# Allegro board 8880F5-0827_6.brd (continued)
## Routing (per net, layer and track width the routed paths; a pad name or vN(x,y) marks a point on that pad's centre or on a via; arc(x,y) is an arc through that point) (continued)
S3_1TX_100DCH006+: length 82.3
  TOP w0.086: SITE3.85 263.98,192.03 264.06,192.11 265.74,192.11 270.12,196.49 277.07,196.49 v1(277.52,196.03)
  L28_SIGNAL w0.071: v1(277.52,196.03) 277.52,196.44 277.45,196.51 276.8,196.51 275.82,195.53 275.82,175.46 279.18,172.1 279.18,156.44 275.64,152.89 267.84,152.89 263.29,148.34 263.29,146.06 263.36,145.99 v1(263.76,145.99)
S3_1TX_100DCH006-: length 82.6
  TOP w0.086: SITE3.86 263.98,192.43 264.06,192.35 265.64,192.35 270.02,196.73 277.07,196.73 v1(277.52,197.18)
  L28_SIGNAL w0.071: v1(262.62,145.99) 263.02,145.99 263.09,146.06 263.09,148.42 267.75,153.09 275.55,153.09 278.98,156.52 278.98,172.02 275.62,175.38 275.62,195.61 276.72,196.7 277.45,196.7 277.52,196.78 v1(277.52,197.18)
S3_1TX_100DCH007+: length 79.5
  TOP w0.086: v1(273.81,198.17) 273.35,198.62 270.67,198.62 264.96,192.91 264.06,192.91 263.98,192.83 SITE3.87
  L30_SIGNAL w0.071: v1(273.81,198.17) 273.81,198.57 273.88,198.64 278.43,198.64 279.47,197.6 279.47,144.13 278.09,142.75 277.16,142.75 276.5,143.42 276.5,144.52 276.57,144.59 v1(276.97,144.59)
S3_1TX_100DCH007-: length 80.5
  TOP w0.086: SITE3.88 263.98,193.23 264.06,193.15 264.86,193.15 270.57,198.86 273.35,198.86 v1(273.81,199.31)
  L30_SIGNAL w0.071: v1(275.82,144.59) 276.23,144.59 276.3,144.52 276.3,143.33 277.08,142.56 278.17,142.56 279.67,144.05 279.67,197.68 278.51,198.84 273.88,198.84 273.81,198.91 v1(273.81,199.31)
S3_2AUX+:
  vias: v1(192.78,132.33) v1(192.78,131.06) v1(220.73,169.11) v1(220.73,167.84)
S3_2AUX-:
  vias: v1(189.24,131.06) v1(190.24,132.33) v1(219.45,169.11) v1(219.45,167.84)
S3_2TX_100DCH001+: length 73.1
  TOP w0.086: SITE3.89 259.43,197.78 259.35,197.86 259.35,198.44 261.74,200.83 263.95,200.83 265.31,202.18 265.31,205.07 265.87,205.63 265.87,208.15 v1(266.32,208.6)
  L28_SIGNAL w0.071: v1(266.32,208.6) 265.92,208.6 265.85,208.53 265.85,205.5 264.97,204.62 264.97,192.68 269.53,188.13 269.53,177.79 276.5,170.82 276.5,158.25 276.57,158.18 v1(276.97,158.18)
S3_2TX_100DCH001-: length 73.1
  TOP w0.086: SITE3.90 259.03,197.78 259.11,197.86 259.11,198.54 261.64,201.07 263.85,201.07 265.07,202.28 265.07,205.17 265.63,205.73 265.63,208.15 v1(265.18,208.6)
  L28_SIGNAL w0.071: v1(265.18,208.6) 265.58,208.6 265.65,208.53 265.65,205.58 264.77,204.7 264.77,192.6 269.33,188.04 269.33,177.71 276.3,170.74 276.3,158.25 276.23,158.18 v1(275.82,158.18)
S3_2TX_100DCH002+: length 75.9
  TOP w0.086: v1(264.67,206.34) 264.22,205.88 264.22,202.77 263.16,201.72 261.27,201.72 258.55,199 258.55,197.86 258.63,197.78 SITE3.91
  L30_SIGNAL w0.071: v1(212.03,217.02) 212.03,216.62 212.1,216.55 215.75,216.55 218.09,218.89 222.6,218.89 223.67,217.83 223.67,216.31 224.03,215.94 255.03,215.94 259.01,211.97 261.89,211.97 264.2,209.66 264.2,206.41 264.27,206.34 v1(264.67,206.34)
S3_2TX_100DCH002-: length 75.6
  TOP w0.086: v1(263.52,206.34) 263.98,205.88 263.98,202.87 263.07,201.96 261.17,201.96 258.31,199.1 258.31,197.86 258.23,197.78 SITE3.92
  L30_SIGNAL w0.071: v1(263.52,206.34) 263.93,206.34 264,206.41 264,209.58 261.81,211.77 258.92,211.77 254.95,215.74 223.95,215.74 223.47,216.23 223.47,217.75 222.52,218.7 218.17,218.7 215.83,216.35 212.1,216.35 212.03,216.28 v1(212.03,215.88)
S3_2TX_100DCH003+: length 88
  TOP w0.086: v1(263.07,208.6) 262.61,208.15 262.61,204.3 257.75,199.44 257.75,197.86 257.83,197.78 SITE3.93
  L32_SIGNAL w0.071: v1(198.44,217.02) 198.44,216.62 198.51,216.55 199.62,216.55 202.69,219.62 233.6,219.62 236.94,216.28 259.02,216.28 262.59,212.71 262.59,208.68 262.66,208.6 v1(263.07,208.6)
S3_2TX_100DCH003-: length 87.6
  TOP w0.086: v1(261.92,208.6) 262.37,208.15 262.37,204.4 257.51,199.54 257.51,197.86 257.43,197.78 SITE3.94
  L32_SIGNAL w0.071: v1(261.92,208.6) 262.32,208.6 262.39,208.68 262.39,212.62 258.93,216.09 236.85,216.09 233.52,219.42 202.77,219.42 199.7,216.35 198.51,216.35 198.44,216.28 v1(198.44,215.88)
S3_2TX_100DCH004+: length 89.8
  TOP w0.086: SITE3.95 257.03,197.78 256.95,197.86 256.95,199.72 260.9,203.67 260.9,206.64 v1(261.36,207.09)
  L28_SIGNAL w0.071: v1(195.26,217.02) 195.26,216.62 195.33,216.55 196.14,216.55 196.67,217.08 196.67,217.91 198.84,220.08 221.83,220.08 223.6,218.31 223.6,216.04 225.04,214.6 256.44,214.6 258.76,212.28 258.76,211.33 260.88,209.2 260.88,207.16 260.96,207.09 v1(261.36,207.09)
S3_2TX_100DCH004-: length 89.4
  TOP w0.086: SITE3.96 256.63,197.78 256.71,197.86 256.71,199.82 260.67,203.77 260.67,206.64 v1(260.21,207.09)
  L28_SIGNAL w0.071: v1(260.21,207.09) 260.62,207.09 260.69,207.16 260.69,209.12 258.56,211.24 258.56,212.2 256.35,214.4 224.96,214.4 223.4,215.95 223.4,218.23 221.75,219.88 198.92,219.88 196.87,217.83 196.87,217 196.22,216.35 195.33,216.35 195.26,216.28 v1(195.26,215.88)
S3_2TX_100DCH005+: length 100.3
  TOP w0.086: SITE3.98 255.83,197.78 255.75,197.86 255.75,201.37 258.54,204.15 258.54,208.38 v1(258.99,208.83)
  L32_SIGNAL w0.071: v1(181.67,217.02) 181.67,216.62 181.75,216.55 182.7,216.55 184.57,214.68 202.3,214.68 206.39,218.77 229.15,218.77 233.53,214.38 256.31,214.38 258.52,212.18 258.52,208.9 258.59,208.83 v1(258.99,208.83)
S3_2TX_100DCH005-: length 100
  TOP w0.086: v1(257.84,208.83) 258.3,208.38 258.3,204.25 255.51,201.47 255.51,197.86 255.43,197.78 SITE3.99
  L32_SIGNAL w0.071: v1(257.84,208.83) 258.25,208.83 258.32,208.9 258.32,212.1 256.23,214.19 233.45,214.19 229.07,218.57 206.47,218.57 202.38,214.48 184.49,214.48 182.61,216.35 181.75,216.35 181.67,216.28 v1(181.67,215.88)
S3_2TX_100DCH006+: length 96.4
  TOP w0.086: SITE3.100 255.03,197.78 254.95,197.86 254.95,201.59 257.04,203.68 257.04,208.51 256.65,208.9 256.65,210.62 v1(257.1,211.08)
  L28_SIGNAL w0.071: v1(195.26,203.56) 195.26,203.16 195.19,203.09 193.67,203.09 192.92,202.34 192.92,201.06 194.02,199.96 213.12,199.96 215.19,202.03 225.34,202.03 228.39,198.97 237.08,198.97 239.64,201.54 254.11,201.54 256.63,204.05 256.63,211 256.7,211.08 v1(257.1,211.08)
S3_2TX_100DCH006-: length 95.4
  TOP w0.086: SITE3.101 254.63,197.78 254.71,197.86 254.71,201.69 256.8,203.78 256.8,208.41 256.41,208.8 256.41,210.62 v1(255.96,211.08)
  L28_SIGNAL w0.071: v1(255.96,211.08) 256.36,211.08 256.43,211 256.43,204.13 254.03,201.73 239.56,201.73 237,199.17 228.47,199.17 225.42,202.23 215.1,202.23 213.04,200.16 194.1,200.16 193.12,201.14 193.12,202.26 193.75,202.89 195.19,202.89 195.26,202.82 v1(195.26,202.42)
S3_2TX_100DCH007+: length 95.3
  TOP w0.086: v1(254.78,209.97) 254.78,209.33 255.98,208.13 255.98,203.78 254.15,201.95 254.15,197.86 254.23,197.78 SITE3.102
  L32_SIGNAL w0.071: v1(254.78,209.97) 254.5,209.69 254.4,209.69 251,213.09 224.37,213.09 223.42,212.14 223.42,210.59 218.89,206.06 186.03,206.06 183.06,203.09 181.75,203.09 181.67,203.16 v1(181.67,203.56)
S3_2TX_100DCH007-: length 94.9
  TOP w0.086: v1(253.98,209.17) 254.61,209.17 255.74,208.03 255.74,203.88 253.91,202.05 253.91,197.86 253.83,197.78 SITE3.103
  L32_SIGNAL w0.071: v1(181.67,202.42) 181.67,202.82 181.75,202.89 183.14,202.89 186.11,205.86 218.97,205.86 223.62,210.51 223.62,212.06 224.45,212.9 250.91,212.9 254.26,209.55 254.26,209.45 v1(253.98,209.17)
S3_3TX_100DCH002+: length 92.5
  TOP w0.086: v1(249.8,208.11) 249.35,207.66 249.35,197.86 249.43,197.78 SITE3.114
  L30_SIGNAL w0.071: v1(249.8,208.11) 249.4,208.11 249.33,208.18 249.33,209.15 248.69,209.79 247.82,209.79 246,207.98 235.92,207.98 233.64,210.26 228.23,210.26 216.17,198.2 191.86,198.2 182.78,189.12 181.75,189.12 181.67,189.19 v1(181.67,189.59)
S3_3TX_100DCH002-: length 92.1
  TOP w0.086: v1(248.66,208.11) 249.11,207.66 249.11,197.86 249.03,197.78 SITE3.115
  L30_SIGNAL w0.071: v1(181.67,188.45) 181.67,188.85 181.75,188.92 182.86,188.92 191.94,198 216.25,198 228.31,210.06 233.56,210.06 235.84,207.78 246.09,207.78 247.9,209.59 248.61,209.59 249.13,209.07 249.13,208.18 249.06,208.11 v1(248.66,208.11)
S3_3TX_100DCH003+: length 90.8
  TOP w0.086: SITE3.116 248.63,197.78 248.55,197.86 248.55,206.82 246.96,208.41 246.96,210.72 v1(247.41,211.17)
  L28_SIGNAL w0.071: v1(247.41,211.17) 247.01,211.17 246.94,211.24 246.94,212.03 246.26,212.7 234.8,212.7 232.89,210.79 227.53,210.79 222.99,206.25 181.84,206.25 180.07,204.48 180.07,203.67 179.49,203.09 178.57,203.09 178.5,203.16 v1(178.5,203.56)
S3_3TX_100DCH003-: length 90.5
  TOP w0.086: v1(246.26,211.17) 246.72,210.72 246.72,208.31 248.31,206.72 248.31,197.86 248.23,197.78 SITE3.117
  L28_SIGNAL w0.071: v1(246.26,211.17) 246.67,211.17 246.74,211.24 246.74,211.95 246.18,212.51 234.88,212.51 232.97,210.59 227.61,210.59 223.07,206.05 181.92,206.05 180.27,204.4 180.27,203.59 179.57,202.89 178.57,202.89 178.5,202.82 v1(178.5,202.42)
S3_3TX_100DCH004+: length 103.9
  TOP w0.086: SITE3.120 247.03,197.78 246.95,197.86 246.95,204.17 244.91,206.21 244.91,208.63 v1(245.36,209.08)
  L30_SIGNAL w0.071: v1(245.36,209.08) 244.96,209.08 244.89,209.16 244.89,210.69 240.78,214.8 225.79,214.8 223.38,212.39 223.38,210.92 219.02,206.56 169.82,206.56 166.34,203.09 164.98,203.09 164.91,203.16 v1(164.91,203.56)
S3_3TX_100DCH004-: length 103.6
  TOP w0.086: v1(244.22,209.08) 244.67,208.63 244.67,206.11 246.71,204.07 246.71,197.86 246.63,197.78 SITE3.121
  L30_SIGNAL w0.071: v1(244.22,209.08) 244.62,209.08 244.69,209.16 244.69,210.61 240.69,214.61 225.87,214.61 223.57,212.31 223.57,210.84 219.1,206.36 169.9,206.36 166.42,202.89 164.98,202.89 164.91,202.82 v1(164.91,202.42)
S3_3TX_100DCH005+: length 49.4
  TOP w0.086: SITE3.122 246.23,197.78 246.15,197.86 246.15,200.53 244.65,202.03 244.65,203.24 v1(245.11,203.69)
  L32_SIGNAL w0.071: v1(245.11,203.69) 244.7,203.69 244.63,203.76 244.63,206.24 242.9,207.97 237.41,207.97 234.68,210.7 226.44,210.7 218.83,203.09 212.1,203.09 212.03,203.16 v1(212.03,203.56)
S3_3TX_100DCH005-: length 49.1
  TOP w0.086: v1(243.96,203.69) 244.42,203.24 244.42,201.93 245.91,200.44 245.91,197.86 245.83,197.78 SITE3.123
  L32_SIGNAL w0.071: v1(243.96,203.69) 244.36,203.69 244.44,203.76 244.44,206.16 242.82,207.77 237.32,207.77 234.6,210.5 226.52,210.5 218.91,202.89 212.1,202.89 212.03,202.82 v1(212.03,202.42)
S3_3TX_100DCH006+: length 63.6
  TOP w0.086: SITE3.124 245.43,197.78 245.35,197.86 245.35,199.65 242.87,202.13 242.87,204.93 241.66,206.13 241.66,208.63 v1(242.12,209.08)
  L28_SIGNAL w0.071: v1(242.12,209.08) 241.71,209.08 241.64,209.16 241.64,210.26 240.81,211.1 234.6,211.1 233.41,209.9 228.33,209.9 223.69,205.26 201.93,205.26 199.75,203.09 198.51,203.09 198.44,203.16 v1(198.44,203.56)
S3_3TX_100DCH006-: length 63.3
  TOP w0.086: v1(240.97,209.08) 241.43,208.63 241.43,206.04 242.63,204.83 242.63,202.03 245.11,199.55 245.11,197.86 245.03,197.78 SITE3.125
  L28_SIGNAL w0.071: v1(240.97,209.08) 241.37,209.08 241.45,209.16 241.45,210.18 240.72,210.9 234.69,210.9 233.49,209.7 228.41,209.7 223.77,205.07 202.01,205.07 199.83,202.89 198.51,202.89 198.44,202.82 v1(198.44,202.42)
S3_3TX_100DCH007+: length 88
  TOP w0.086: v1(241.53,203.69) 241.08,203.24 241.08,202.2 244.55,198.73 244.55,197.86 244.63,197.78 SITE3.126
  L32_SIGNAL w0.071: v1(178.5,189.59) 178.5,189.19 178.43,189.12 177.58,189.12 177.04,188.59 177.04,187.55 177.62,186.98 215.9,186.98 217.71,188.79 222.83,188.79 223.8,187.82 226.43,187.82 228.99,190.38 233.22,190.38 241.06,198.23 241.06,203.62 241.13,203.69 v1(241.53,203.69)
S3_3TX_100DCH007-: length 87
  TOP w0.086: SITE3.127 244.23,197.78 244.31,197.86 244.31,198.63 240.84,202.1 240.84,203.24 v1(240.39,203.69)
  L32_SIGNAL w0.071: v1(240.39,203.69) 240.79,203.69 240.86,203.62 240.86,198.31 233.13,190.58 228.91,190.58 226.34,188.02 223.88,188.02 222.92,188.98 217.63,188.98 215.82,187.18 177.7,187.18 177.24,187.63 177.24,188.5 177.66,188.92 178.43,188.92 178.5,188.85 v1(178.5,188.45)
S3_4TX_100DCH001+: length 103.7
  TOP w0.086: SITE3.129 243.43,197.78 243.35,197.86 243.35,198.57 239.3,202.62 239.3,206.9 238.34,207.86 238.34,208.63 v1(238.79,209.08)
  L30_SIGNAL w0.071: v1(164.91,189.59) 164.91,189.19 164.98,189.12 166.35,189.12 176.85,199.62 215.03,199.62 225.68,210.27 225.68,212.38 226.59,213.29 236.12,213.29 238.32,211.1 238.32,209.16 238.39,209.08 v1(238.79,209.08)
S3_4TX_100DCH001-: length 103.4
  TOP w0.086: v1(237.64,209.08) 238.1,208.63 238.1,207.76 239.06,206.8 239.06,202.52 243.11,198.47 243.11,197.86 243.03,197.78 SITE3.130
  L30_SIGNAL w0.071: v1(237.64,209.08) 238.05,209.08 238.12,209.16 238.12,211.02 236.04,213.09 226.68,213.09 225.88,212.3 225.88,210.19 215.11,199.42 176.93,199.42 166.43,188.92 164.98,188.92 164.91,188.85 v1(164.91,188.45)
S3_4TX_100DCH002+: length 50.5
  TOP w0.086: v1(237.56,205.42) 237.11,204.97 237.11,203.7 242.55,198.26 242.55,197.86 242.63,197.78 SITE3.131
  L32_SIGNAL w0.071: v1(212.03,189.59) 212.03,189.19 211.95,189.12 211.36,189.12 210.64,189.84 210.64,190.77 212.59,192.72 225.98,192.72 228.28,195.02 231.34,195.02 237.09,200.78 237.09,205.35 237.16,205.42 v1(237.56,205.42)
S3_4TX_100DCH002-: length 50.8
  TOP w0.086: SITE3.132 242.23,197.78 242.31,197.86 242.31,198.16 236.87,203.6 236.87,204.97 v1(236.42,205.42)
  L32_SIGNAL w0.071: v1(212.03,188.45) 212.03,188.85 211.95,188.92 211.28,188.92 210.44,189.76 210.44,190.85 212.51,192.92 225.9,192.92 228.2,195.22 231.25,195.22 236.89,200.86 236.89,205.35 236.82,205.42 v1(236.42,205.42)
S3_4TX_100DCH003+: length 48.7
  TOP w0.086: SITE3.133 237.68,193.23 237.6,193.15 237.23,193.15 231.06,199.32 226.27,199.32 v1(225.81,199.77)
  L28_SIGNAL w0.071: v1(225.81,199.77) 225.81,199.37 225.74,199.3 209.99,199.3 199.81,189.12 198.51,189.12 198.44,189.19 v1(198.44,189.59)
S3_4TX_100DCH003-: length 48.7
  TOP w0.086: SITE3.134 237.68,192.83 237.6,192.91 237.13,192.91 230.96,199.08 226.27,199.08 v1(225.81,198.63)
  L28_SIGNAL w0.071: v1(225.81,198.63) 225.81,199.03 225.74,199.1 210.08,199.1 199.89,188.92 198.51,188.92 198.44,188.85 v1(198.44,188.45)
S3_4TX_100DCH004+: length 47.9
  TOP w0.086: v1(228.57,197.65) 229.02,197.2 231.68,197.2 236.53,192.35 237.6,192.35 237.68,192.43 SITE3.135
  L30_SIGNAL w0.071: v1(212.28,176.13) 212.28,175.73 212.35,175.66 213.61,175.66 214.22,176.26 214.22,191.42 219.98,197.18 228.49,197.18 228.57,197.25 v1(228.57,197.65)
S3_4TX_100DCH004-: length 47.9
  TOP w0.086: SITE3.136 237.68,192.03 237.6,192.11 236.43,192.11 231.58,196.96 229.02,196.96 v1(228.57,196.51)
  L30_SIGNAL w0.071: v1(212.28,174.99) 212.28,175.39 212.35,175.46 213.69,175.46 214.42,176.18 214.42,191.33 220.06,196.98 228.49,196.98 228.57,196.91 v1(228.57,196.51)
S3_4TX_100DCH005+: length 55.7
  TOP w0.086: v1(225.81,195.53) 226.27,195.08 232.64,195.08 236.17,191.55 237.6,191.55 237.68,191.63 SITE3.137
  L28_SIGNAL w0.071: v1(198.69,176.13) 198.69,175.73 198.76,175.66 200.43,175.66 205.22,180.44 205.22,188.15 212.13,195.06 225.74,195.06 225.81,195.13 v1(225.81,195.53)
S3_4TX_100DCH005-: length 55.7
  TOP w0.086: v1(225.81,194.39) 226.27,194.84 232.55,194.84 236.07,191.31 237.6,191.31 237.68,191.23 SITE3.138
  L28_SIGNAL w0.071: v1(225.81,194.39) 225.81,194.79 225.74,194.86 212.21,194.86 205.42,188.07 205.42,180.36 200.52,175.46 198.76,175.46 198.69,175.39 v1(198.69,174.99)
S3_4TX_100DCH006+: length 85.6
  TOP w0.086: SITE3.140 237.68,190.43 237.6,190.35 233.96,190.35 232.03,192.28 229.02,192.28 v1(228.57,192.73)
  L30_SIGNAL w0.071: v1(178.5,162.67) 178.5,162.27 178.57,162.2 179.62,162.2 179.93,162.51 179.93,167.76 184.31,172.14 213.08,172.14 215.37,174.43 215.37,180.15 216.31,181.08 223.1,181.08 226.64,184.63 226.64,191.45 227.45,192.26 228.49,192.26 228.57,192.33 v1(228.57,192.73)
S3_4TX_100DCH006-: length 85.6
  TOP w0.086: SITE3.141 237.68,190.03 237.6,190.11 233.86,190.11 231.93,192.04 229.02,192.04 v1(228.57,191.59)
  L30_SIGNAL w0.071: v1(178.5,161.52) 178.5,161.93 178.57,162 179.7,162 180.13,162.43 180.13,167.67 184.4,171.94 213.16,171.94 215.57,174.35 215.57,180.07 216.39,180.89 223.18,180.89 226.84,184.54 226.84,191.37 227.53,192.06 228.49,192.06 228.57,191.99 v1(228.57,191.59)
S3_4TX_100DCH007+: length 89.2
  TOP w0.086: v1(225.81,190.64) 226.27,190.19 232.4,190.19 233.04,189.55 237.6,189.55 237.68,189.63 SITE3.142
  L28_SIGNAL w0.071: v1(225.81,190.64) 225.81,190.24 225.74,190.16 223.75,190.16 222.57,188.98 216.53,188.98 211.12,183.57 211.12,180.42 202.38,171.68 175.64,171.68 166.16,162.2 164.98,162.2 164.91,162.27 v1(164.91,162.67)
S3_4TX_100DCH007-: length 89.2
  TOP w0.086: SITE3.143 237.68,189.23 237.6,189.31 232.94,189.31 232.3,189.95 226.27,189.95 v1(225.81,189.49)
  L28_SIGNAL w0.071: v1(164.91,161.52) 164.91,161.93 164.98,162 166.24,162 175.73,171.48 202.46,171.48 211.32,180.34 211.32,183.49 216.62,188.79 222.65,188.79 223.83,189.97 225.74,189.97 225.81,189.9 v1(225.81,189.49)
S3_AUX_100DCH002+:
  vias: v1(191.78,132.33)
S3_AUX_100DCH002-:
  vias: v1(189.24,132.33)
S3_AUXCH+: length 3.6
  TOP w0.203: SITE3.21 250.23,176.2 v2(250.6,176.57)
S3_AUXCH-: length 3.6
  TOP w0.203: v2(249.46,176.57) 249.83,176.2 SITE3.20
S3_AVDD11_RX: length 8.4
  TOP w0.231: SITE3.31 254.23,168.29 254.67,167.85
  TOP w0.508: v1(256.77,165.75) 254.67,167.85
  vias: v1(118.32,276.23) v1(118.32,274.32) v1(256.77,163.71)
S3_AVDD11_XTAL: length 8.8
  TOP w0.231: 252.87,201.45 252.87,201.11 253.03,200.95 SITE3.105
  TOP w0.381: v1(253.72,204.54) 253.72,204.45 252.87,203.59 252.87,201.45
  vias: v1(93.77,276.23) v1(93.77,274.32) v1(253.72,206.58)
S3_AVDD18_RX: length 7.7
  TOP w0.231: SITE3.25 251.83,170.56 251.28,170.01
  TOP w0.508: v1(251.06,165.75) 251.06,168.68 251.28,168.9 251.28,170.01
  vias: v1(128.06,276.23) v1(128.06,274.32) v1(251.06,163.71)
S3_DCH041: length 2.2
  TOP w0.231: SITE3.159 237.43,182.83 v1(237.23,183.03)
S3_DCH042: length 3.7
  TOP w0.231: v1(235.83,183.03) 236.43,182.43 SITE3.160
S3_DCH043: length 5.3
  TOP w0.231: v1(234.44,183.03) 235.44,182.03 SITE3.161
S3_DCH044: length 2.2
  TOP w0.231: v1(237.23,181.03) 237.43,181.23 SITE3.163
S3_DCH045: length 5.4
  TOP w0.231: v1(244.35,179.83) 243.35,180.83 SITE3.164
S3_DCH046: length 3.9
  TOP w0.231: SITE3.165 242.35,180.43 v1(242.95,179.83)
S3_DCH047: length 2.3
  TOP w0.231: SITE3.166 241.36,180.03 v1(241.56,179.83)
S3_DCH048:
  vias: v1(229.05,216.97)
S3_DCH049:
  vias: v1(229.05,211.67)
S3_DPS_F_001:
  vias: v1(112.05,249.13) v1(112.05,247.23) v1(190.24,131.06) v1(221.73,167.84)
S3_DPS_F_002: length 10.1
  TOP w0.231: SITE3.3 243.03,170.86 241.72,169.55 240.65,169.55
  TOP w0.508: v1(237.98,165.75) 237.98,166.88 240.65,169.55
  vias: v1(111.55,292.74) v1(111.55,290.83) v1(236.32,162.9) v1(237.98,163.71)
S3_DPS_F_003: length 63.1
  TOP w0.231: 259.73,169.66 258.57,169.66 256.63,171.59 SITE3.37 ; 251.69,201.16 251.69,200.65 252.23,200.11 SITE3.107 ; SITE3.17 248.63,169.5 249.28,168.85 ; SITE3.63 264.9,183.23 265.2,182.93 ; 234.63,181.63 SITE3.162 ; SITE3.71 266.94,186.43 267.84,185.53 ; 232.83,188.18 233.08,188.43 SITE3.145
  TOP w0.381: v1(251.94,204.54) 251.69,204.28 251.69,201.16
  TOP w0.508: v1(249.28,165.75) 249.28,168.85 ; 259.73,169.66 262.36,167.02 v1(262.36,165.75) ; 234.63,181.63 234.37,181.63 232.59,183.41 v1(231.44,183.41) ; v1(271.22,183.91) 269.46,183.91 267.84,185.53 ; v1(271.22,181.37) 268.11,181.37 266.8,182.68 265.45,182.68 265.2,182.93 ; 232.83,188.18 232.58,187.93 v1(231.44,187.93)
  vias: v1(101.81,292.74) v1(101.81,290.83) v1(114.55,186.44) v1(229.4,187.93) v1(229.4,183.41) v1(249.28,163.71) v1(251.54,192.61) v1(251.94,206.58) v1(262.36,163.71) v1(273.27,183.91) v1(273.27,181.37)
S3_DPS_F_006: length 9.6
  TOP w0.231: 268.55,186.19 267.92,186.83 SITE3.72
  TOP w0.508: v1(271.22,185.18) 269.56,185.18 268.55,186.19
  vias: v1(75.99,276.23) v1(75.99,274.32) v1(259,186.67) v1(273.27,185.18)
S3_DPS_F_007: length 19
  TOP w0.231: 264.37,189.01 264.15,189.23 SITE3.78 ; v1(259.65,204.54) 259.65,204.13 256.23,200.71 SITE3.97
  TOP w0.508: 264.37,189.01 270.31,189.01 270.8,189.5 v1(271.22,189.5)
  vias: v1(75.99,292.74) v1(75.99,290.83) v1(259.65,206.58) v1(273.27,189.5)
S3_DPS_F_009: length 8.8
  TOP w0.231: 252.26,201.12 252.26,200.9 252.63,200.53 SITE3.106
  TOP w0.381: v1(252.83,204.54) 252.83,204.39 252.26,203.82 252.26,201.12
  vias: v1(93.77,292.74) v1(93.77,290.83) v1(252.83,206.58) v1(253.61,207.66)
S3_DPS_F_010: length 8.6
  TOP w0.231: SITE3.111 250.63,200.15 251.05,200.57 251.05,201.13
  TOP w0.381: 251.05,201.13 v1(251.05,204.54)
  vias: v1(84.03,292.74) v1(84.03,290.83) v1(250.34,193.59) v1(251.05,206.58)
S3_DPS_F_011: length 17.6
  TOP w0.231: 247.64,198.01 247.43,197.79 SITE3.119 ; v1(231.44,193.69) 232.01,193.69 234.87,190.83 SITE3.139
  TOP w0.508: v1(247.57,204.54) 247.64,204.47 247.64,198.01
  vias: v1(66.25,292.74) v1(66.25,290.83) v1(229.4,193.69) v1(247.57,206.58)
S3_DPS_F_012: length 8
  TOP w0.231: 232.2,188.83 SITE3.144
  TOP w0.508: 232.2,188.83 231.81,188.83 v1(231.44,189.2)
  vias: v1(66.25,276.23) v1(66.25,274.32) v1(229.4,189.2)
S3_DPS_F_013:
  vias: v1(89.78,163.72) v1(90.02,177.49) v1(96.27,171.81) v1(96.37,185.42) v1(97.53,197.36) v1(97.53,189.74) v1(98.81,171.81) v1(98.91,185.42) v1(101.35,171.81) v1(101.35,159.62) v1(101.45,185.42) v1(101.45,173.22) v1(103.89,159.62) v1(104.89,171.81) v1(104.99,185.42) v1(105.01,173.17) v1(107.18,249.19) v1(107.18,247.28) v1(122.38,197.41) v1(127.01,189.74) v1(127.01,182.12)
S3_ISP00+: length 128.7
  TOP w0.086: SITE3.73 263.98,187.23 264.06,187.31 269.31,187.31 270.29,186.33 273.35,186.33 v1(273.81,185.88)
  L30_SIGNAL w0.071: v1(186.95,178.86) 188.3,178.86 188.37,178.93 188.37,187.44 192.82,191.9 212.34,191.9 221.84,201.4 226.54,201.4 230.83,197.12 267.5,197.12 272.06,192.56 274.98,192.56 275.51,192.02 275.51,187.07 274.79,186.35 273.88,186.35 273.81,186.28 v1(273.81,185.88)
  BOTTOM w0.119: v1(186.95,178.86) UNK3K43.7
S3_ISP00-: length 127.8
  TOP w0.086: SITE3.74 263.98,187.63 264.06,187.55 269.41,187.55 270.39,186.57 273.35,186.57 v1(273.81,187.02)
  L30_SIGNAL w0.071: v1(273.81,187.02) 273.81,186.62 273.88,186.55 274.71,186.55 275.31,187.15 275.31,191.94 274.89,192.36 271.98,192.36 267.42,196.92 230.74,196.92 226.46,201.2 221.93,201.2 212.43,191.7 192.91,191.7 188.57,187.36 188.57,178.93 188.64,178.86 v1(189.99,178.86)
  BOTTOM w0.119: v1(189.99,178.86) UNK3K43.2
S3_ISP14+: length 139.4
  TOP w0.086: SITE3.112 250.23,197.78 250.15,197.86 250.15,206.59 251.48,207.92 251.48,209.45 v1(251.93,209.9)
  L28_SIGNAL w0.071: v1(251.93,209.9) 251.53,209.9 251.46,209.97 251.46,211.57 249.38,213.65 224.66,213.65 223.35,212.34 223.35,211.2 220.57,208.42 180.49,208.42 177.05,204.98 177.05,188.12 180.44,184.73 187.48,184.73 188.37,183.84 188.37,174.53 188.3,174.46 v1(184.47,174.46)
S3_ISP14-: length 138.7
  TOP w0.086: SITE3.113 249.83,197.78 249.91,197.86 249.91,206.69 251.24,208.02 251.24,209.45 v1(250.79,209.9)
  L28_SIGNAL w0.071: v1(250.79,209.9) 251.19,209.9 251.26,209.97 251.26,211.49 249.29,213.45 224.74,213.45 223.54,212.25 223.54,211.11 220.65,208.22 180.57,208.22 177.25,204.9 177.25,188.2 180.52,184.93 187.57,184.93 188.57,183.93 188.57,174.53 188.64,174.46 v1(192.47,174.46)
S3_ISP_1LOCK:
  vias: v1(229.91,185.39)
S3_M_DPS_F_001: length 45.2
  TOP w0.231: 260.57,170.37 258.54,170.37 257.43,171.49 SITE3.39 ; SITE3.147 233.7,187.63 233.24,187.18 ; 266.49,183.63 SITE3.64 ; SITE3.104 253.43,203.21 ; 250.63,170.54 SITE3.22
  TOP w0.381: v1(254.61,204.54) 254.61,204.39 253.43,203.21
  TOP w0.508: v1(263.63,165.75) 263.63,167.31 260.57,170.37 ; v1(250.17,165.75) 250.17,168.96 250.38,169.17 250.38,170.28 250.63,170.54 ; 233.24,187.18 232.72,186.66 v1(231.44,186.66) ; 266.49,183.63 267.49,183.63 268.48,182.64 v1(271.22,182.64)
  vias: v1(101.81,276.23) v1(101.81,274.32) v1(229.4,186.66) v1(250.17,163.71) v1(254.61,206.58) v1(263.63,163.71) v1(273.27,182.64)
S3_PS9G_DCH001: length 3.7
  TOP w0.231: v1(249.63,169.63) 249.03,170.23 SITE3.18
S3_PS9G_DCH002: length 2.2
  TOP w0.231: SITE3.19 249.43,171.23 v1(249.63,171.03)
S3_PS9G_DCH003: length 2.2
  TOP w0.231: SITE3.24 251.43,171.23 v1(251.23,171.03)
S3_PS9G_DCH004: length 2.2
  TOP w0.231: SITE3.40 257.83,175.03 v1(257.63,175.23)
S3_PS9G_DCH005: length 2.2
  TOP w0.231: SITE3.45 264.23,176.03 v1(264.43,175.83)
S3_PS9G_DCH006: length 3.7
  TOP w0.231: v1(265.83,175.83) 265.23,176.43 SITE3.46
S3_PS9G_DCH007: length 5.3
  TOP w0.231: SITE3.47 266.22,176.83 v1(267.23,175.83)
S3_PS9G_DCH009: length 2.2
  TOP w0.231: v1(264.43,177.43) 264.23,177.63 SITE3.49
S3_PS9G_DCH010: length 3.7
  TOP w0.231: v1(265.83,177.43) 265.23,178.03 SITE3.50
S3_PS9G_DCH011: length 5.3
  TOP w0.231: v1(267.23,177.43) 266.22,178.43 SITE3.51
S3_PS9G_DCH014: length 3.7
  TOP w0.231: SITE3.54 265.23,179.63 v1(265.83,179.03)
S3_PS9G_DCH015: length 5.3
  TOP w0.231: v1(267.23,179.03) 266.22,180.03 SITE3.55
S3_PS9G_DCH022: length 5.3
  TOP w0.231: v1(267.23,185.03) 267.05,185.03 266.05,184.03 SITE3.65
S3_PS9G_DCH023: length 2.5
  TOP w0.231: SITE3.66 264.03,184.43 264.43,184.83 v1(264.43,185.03)
S3_PS9G_DCH027: length 3.9
  TOP w0.231: v1(265.83,185.03) 264.83,186.03 SITE3.70
S3_PS9G_DCH028: length 2.3
  TOP w0.231: v1(260.23,188.46) 260.6,188.83 SITE3.77
S3_PS9G_DCH029: length 2.2
  TOP w0.119: SITE3.118 v1(247.83,193.92)
S3_PS9G_DCH030: length 9.2
  TOP w0.231: SITE3.148 237.62,187.23 237.3,186.91 234.16,186.91 232.63,185.39 v1(230.91,185.39)
S3_PS9G_DCH035: length 5.3
  TOP w0.231: v1(234.44,186.23) 235.44,185.23 SITE3.153
S3_PS9G_DCH036: length 2.2
  TOP w0.231: SITE3.154 241.23,184.83 v1(241.43,185.03)
S3_PS9G_DCH037: length 2.2
  TOP w0.231: SITE3.155 237.43,184.43 v1(237.23,184.63)
S3_PS9G_DCH038: length 3.7
  TOP w0.231: v1(235.83,184.63) 236.43,184.03 SITE3.156
S3_PS9G_DCH039: length 5.3
  TOP w0.231: v1(234.44,184.63) 235.44,183.63 SITE3.157
S3_PS9G_DCH040: length 2.2
  TOP w0.231: SITE3.158 241.23,183.23 v1(241.43,183.43)
S3_RLY_001:
  vias: v1(167.7,182.06) v1(256.73,140.14)
S3_RLY_003:
  vias: v1(269.69,143.19) v1(282.9,155.38)
S3_RLY_005:
  vias: v1(184.47,222.95) v1(201.23,222.95)
S3_RLY_007:
  vias: v1(184.47,209.49)
S3_RLY_008:
  vias: v1(167.7,209.49) v1(184.47,195.52)
S3_RLY_016:
  vias: v1(167.7,195.52) v1(201.23,209.49)
S3_RLY_018:
  vias: v1(232.25,216.97)
S3_RLY_021:
  vias: v1(201.23,195.52) v1(201.49,182.06)
S3_RLY_022:
  vias: v1(167.7,141.67) v1(184.47,154.88)
S3_RLY_023:
  vias: v1(201.49,155.13)
S3_RLY_025:
  vias: v1(167.7,154.88) v1(201.49,168.6)
S3_RLY_026:
  vias: v1(184.47,168.6)
S3_RLY_030:
  vias: v1(167.7,168.6)
S3_RLY_043:
  vias: v1(184.47,182.06)
S3_SCAN_DCH008: length 2.2
  TOP w0.231: v1(260.23,177.03) 260.43,177.23 SITE3.48
S3_SCAN_DCH012: length 2.2
  TOP w0.231: SITE3.52 260.43,178.83 v1(260.23,178.63)
S3_SCAN_DCH013: length 2.2
  TOP w0.231: v1(264.43,179.03) 264.23,179.23 SITE3.53
S3_SCAN_DCH016: length 2.2
  TOP w0.231: SITE3.56 260.43,180.43 v1(260.23,180.23)
S3_SCAN_DCH017: length 2.2
  TOP w0.231: SITE3.57 264.23,180.83 v1(264.43,180.63)
S3_SCAN_DCH018: length 3.7
  TOP w0.231: SITE3.58 265.23,181.23 v1(265.83,180.63)
S3_SCAN_DCH019: length 5.3
  TOP w0.231: v1(267.23,180.63) 266.22,181.63 SITE3.59
S3_SCAN_DCH020: length 2.2
  TOP w0.231: v1(260.23,181.83) 260.43,182.03 SITE3.60
S3_SCAN_DCH021: length 2.2
  TOP w0.231: v1(264.43,182.23) 264.23,182.43 SITE3.61
S3_SCAN_DCH024: length 2.2
  TOP w0.231: SITE3.67 260.43,184.83 v1(260.23,184.63)
S3_SCAN_DCH025: length 3.7
  TOP w0.231: SITE3.68 259.43,185.23 v1(258.83,184.63)
S3_SCAN_DCH026: length 5.3
  TOP w0.231: v1(257.44,184.63) 258.44,185.63 SITE3.69
S3_SCAN_DCH031: length 3.7
  TOP w0.231: SITE3.149 242.23,186.83 v1(242.83,187.43)
S3_SCAN_DCH032: length 5.3
  TOP w0.231: v1(244.22,187.43) 243.22,186.43 SITE3.150
S3_SCAN_DCH033: length 2.2
  TOP w0.231: SITE3.151 237.43,186.03 v1(237.23,186.23)
S3_SCAN_DCH034: length 3.7
  TOP w0.231: v1(235.83,186.23) 236.43,185.63 SITE3.152
S3_SPI_1_CSN:
  vias: v1(104.89,159.62)
S3_SPI_1_SCK:
  vias: v1(99.81,171.81)
S3_SPI_1_SDI:
  vias: v1(123.69,173.23)
S3_SPI_1_SDO:
  vias: v1(123.94,180.85)
S3_SPI_2_CSN:
  vias: v1(104.01,173.17)
S3_SPI_2_SCK:
  vias: v1(99.91,185.42)
S3_SPI_2_SDI:
  vias: v1(128.26,173.23)
S3_SPI_2_SDO:
  vias: v1(128.01,180.85)
S3_SPI_11_SDI:
  vias: v1(102.35,159.62) v1(122.69,173.23)
S3_SPI_11_SDO:
  vias: v1(97.27,171.81) v1(122.94,180.85)
S3_SPI_22_SDI:
  vias: v1(102.45,173.22) v1(127.26,173.23)
S3_SPI_22_SDO:
  vias: v1(97.37,185.42) v1(127.01,180.85)
S3_SPI_CSN: length 2.2
  TOP w0.231: SITE3.43 259.03,171.23 v1(259.23,171.03)
S3_SPI_SCK: length 2.2
  TOP w0.231: SITE3.42 258.63,175.03 v1(258.83,175.23)
S3_SPI_SDI: length 3.7
  TOP w0.231: v1(258.83,176.63) 259.43,176.03 SITE3.44
S3_SPI_SDO: length 3.7
  TOP w0.231: v1(257.63,176.63) 258.23,176.03 SITE3.41
S3_XTAL_IN: length 2.5
  TOP w0.119: v1(251.63,198.51) 251.43,198.31 SITE3.109
  vias: v1(226.85,211.67)
S3_XTAL_OUT: length 3.7
  TOP w0.231: SITE3.110 251.03,199.03 v1(251.63,199.63)
  vias: v1(226.85,216.97)
S4_1AUX+:
  vias: v1(301.73,169.11)
S4_1AUX-:
  vias: v1(298.45,169.11)
S4_1TX_100DCH001+: length 175.1
  L32_SIGNAL w0.071: v1(310.01,134.11) 310.01,135.47 310.08,135.54 328.97,135.54 341.4,123.11 355.19,123.11 369.94,137.86 422.41,137.86 427.04,142.49 427.04,174.93 425.07,176.9 422.55,176.9 421.5,175.84 421.5,174.51 421.43,174.43 v1(421.02,174.43)
  BOTTOM w0.119: v1(310.01,134.11) UNK4K43.6
S4_1TX_100DCH001-: length 174.2
  L32_SIGNAL w0.071: v1(422.17,174.43) 421.77,174.43 421.69,174.51 421.69,175.76 422.64,176.7 424.99,176.7 426.84,174.85 426.84,142.57 422.33,138.06 369.85,138.06 355.1,123.31 341.48,123.31 329.05,135.74 310.08,135.74 310.01,135.81 v1(310.01,137.16)
  BOTTOM w0.119: v1(310.01,137.16) UNK4K43.3
S4_1TX_100DCH002+: length 92.3
  TOP w0.086: v1(357.52,187.66) 357.07,188.11 344.06,188.11 343.98,188.03 SITE4.75
  L32_SIGNAL w0.071: v1(357.52,187.66) 357.52,188.06 357.59,188.13 358.17,188.13 369.5,176.8 374.11,176.8 382.05,168.86 414.74,168.86 421.5,162.11 421.5,160.92 421.43,160.85 v1(421.02,160.85)
S4_1TX_100DCH002-: length 92.6
  TOP w0.086: SITE4.76 343.98,188.43 344.06,188.35 357.07,188.35 v1(357.52,188.8)
  L32_SIGNAL w0.071: v1(422.17,160.85) 421.77,160.85 421.69,160.92 421.69,162.19 414.83,169.06 382.13,169.06 374.19,177 369.58,177 358.26,188.33 357.59,188.33 357.52,188.4 v1(357.52,188.8)
S4_1TX_100DCH003+: length 48.2
  TOP w0.086: SITE4.79 343.98,189.63 344.06,189.71 349.05,189.71 349.94,190.59 353.35,190.59 v1(353.81,190.14)
  L30_SIGNAL w0.071: v1(353.81,190.14) 353.81,190.54 353.88,190.61 359.27,190.61 369.57,180.31 371.96,180.31 376.64,175.63 381.29,175.63 381.62,175.3 381.62,174.25 381.55,174.18 v1(381.15,174.18)
S4_1TX_100DCH003-: length 48.5
  TOP w0.086: v1(353.81,191.28) 353.35,190.83 349.84,190.83 348.95,189.95 344.06,189.95 343.98,190.03 SITE4.80
  L30_SIGNAL w0.071: v1(382.29,174.18) 381.89,174.18 381.82,174.25 381.82,175.39 381.37,175.83 376.72,175.83 372.04,180.51 369.66,180.51 359.35,190.81 353.88,190.81 353.81,190.88 v1(353.81,191.28)
S4_1TX_100DCH004+: length 64.2
  TOP w0.086: v1(357.52,192.08) 357.07,192.53 350.02,192.53 347.99,190.51 344.06,190.51 343.98,190.43 SITE4.81
  L28_SIGNAL w0.071: v1(357.52,192.08) 357.52,192.48 357.59,192.55 361.13,192.55 363.61,190.08 363.61,174.95 369.24,169.31 374.46,169.31 381.62,162.15 381.62,160.66 381.55,160.59 v1(381.15,160.59)
S4_1TX_100DCH004-: length 64.6
  TOP w0.086: v1(357.52,193.22) 357.07,192.77 349.92,192.77 347.89,190.75 344.06,190.75 343.98,190.83 SITE4.82
  L28_SIGNAL w0.071: v1(357.52,193.22) 357.52,192.82 357.59,192.75 361.22,192.75 363.8,190.16 363.8,175.03 369.33,169.51 374.54,169.51 381.82,162.24 381.82,160.66 381.89,160.59 v1(382.29,160.59)
S4_1TX_100DCH005+: length 63.5
  TOP w0.086: v1(353.81,193.77) 353.35,194.22 349.53,194.22 346.61,191.31 344.06,191.31 343.98,191.23 SITE4.83
  L30_SIGNAL w0.071: v1(394.35,174.43) 394.76,174.43 394.83,174.51 394.83,175.31 394.36,175.77 388.62,175.77 380,184.39 369.36,184.39 359.5,194.24 353.88,194.24 353.81,194.17 v1(353.81,193.77)
S4_1TX_100DCH005-: length 63.8
  TOP w0.086: v1(353.81,194.92) 353.35,194.46 349.43,194.46 346.51,191.55 344.06,191.55 343.98,191.63 SITE4.84
  L30_SIGNAL w0.071: v1(353.81,194.92) 353.81,194.51 353.88,194.44 359.58,194.44 369.44,184.59 380.08,184.59 388.7,175.97 394.45,175.97 395.02,175.39 395.02,174.51 395.1,174.43 v1(395.5,174.43)
S4_1TX_100DCH006+: length 74.8
  TOP w0.086: v1(357.52,196.03) 357.07,196.49 350.12,196.49 345.74,192.11 344.06,192.11 343.98,192.03 SITE4.85
  L28_SIGNAL w0.071: v1(357.52,196.03) 357.52,196.44 357.59,196.51 361.06,196.51 368.66,188.9 371.17,188.9 373.93,186.14 377.44,186.14 393.85,169.73 393.85,163.08 394.83,162.1 394.83,160.92 394.76,160.85 v1(394.35,160.85)
S4_1TX_100DCH006-: length 75.1
  TOP w0.086: SITE4.86 343.98,192.43 344.06,192.35 345.64,192.35 350.02,196.73 357.07,196.73 v1(357.52,197.18)
  L28_SIGNAL w0.071: v1(395.5,160.85) 395.1,160.85 395.03,160.92 395.03,162.19 394.05,163.16 394.05,169.81 377.53,186.33 374.01,186.33 371.25,189.1 368.75,189.1 361.14,196.7 357.59,196.7 357.52,196.78 v1(357.52,197.18)
S4_1TX_100DCH007+: length 80
  TOP w0.086: v1(353.81,198.17) 353.35,198.62 350.67,198.62 344.96,192.91 344.06,192.91 343.98,192.83 SITE4.87
  L30_SIGNAL w0.071: v1(353.81,198.17) 353.81,198.57 353.88,198.64 359.07,198.64 369.66,188.05 372.01,188.05 374.12,185.95 390.92,185.95 401.05,175.81 407.82,175.81 408.29,175.34 408.29,174.51 408.22,174.43 v1(407.82,174.43)
S4_1TX_100DCH007-: length 80.3
  TOP w0.086: v1(353.81,199.31) 353.35,198.86 350.57,198.86 344.86,193.15 344.06,193.15 343.98,193.23 SITE4.88
  L30_SIGNAL w0.071: v1(353.81,199.31) 353.81,198.91 353.88,198.84 359.16,198.84 369.75,188.25 372.09,188.25 374.2,186.14 391,186.14 401.14,176.01 407.9,176.01 408.49,175.42 408.49,174.51 408.56,174.43 v1(408.96,174.43)
S4_2AUX+:
  vias: v1(300.22,132.08) v1(300.22,130.81) v1(300.73,169.11) v1(300.73,167.84)
S4_2AUX-:
  vias: v1(296.68,130.81) v1(297.68,132.08) v1(299.45,169.11) v1(299.45,167.84)
S4_2TX_100DCH001+: length 112.6
  TOP w0.086: SITE4.89 339.43,197.78 339.35,197.86 339.35,198.44 341.74,200.83 343.95,200.83 345.31,202.18 345.31,205.07 345.87,205.63 345.87,208.15 v1(346.32,208.6)
  L28_SIGNAL w0.071: v1(346.32,208.6) 345.92,208.6 345.85,208.68 345.85,209.39 346.38,209.93 353.81,209.93 360.21,203.52 371.73,203.52 374.25,201 387.36,201 391.39,196.97 391.39,186.89 398.45,179.83 398.45,172.33 408.29,162.49 408.29,160.92 408.21,160.85 v1(407.82,160.85)
S4_2TX_100DCH001-: length 113.2
  TOP w0.086: SITE4.90 339.03,197.78 339.11,197.86 339.11,198.54 341.64,201.07 343.85,201.07 345.07,202.28 345.07,205.17 345.63,205.73 345.63,208.15 v1(345.18,208.6)
  L28_SIGNAL w0.071: v1(345.18,208.6) 345.58,208.6 345.65,208.68 345.65,209.47 346.3,210.12 353.89,210.12 360.29,203.72 371.81,203.72 374.33,201.2 387.44,201.2 391.59,197.05 391.59,186.97 398.65,179.91 398.65,172.41 408.48,162.57 408.48,160.92 408.55,160.85 v1(408.96,160.85)
S4_2TX_100DCH002+: length 67.4
  TOP w0.086: v1(344.67,206.34) 344.22,205.88 344.22,202.77 343.16,201.72 341.27,201.72 338.55,199 338.55,197.86 338.63,197.78 SITE4.91
  L30_SIGNAL w0.071: v1(344.67,206.34) 344.27,206.34 344.2,206.41 344.2,209.73 346.25,211.78 352.46,211.78 361.33,202.92 361.33,200.05 368.52,192.85 380.89,192.85 381.62,192.13 381.62,191.02 381.55,190.94 v1(381.15,190.94)
S4_2TX_100DCH002-: length 68.1
  TOP w0.086: SITE4.92 338.23,197.78 338.31,197.86 338.31,199.1 341.17,201.96 343.07,201.96 343.98,202.87 343.98,205.88 v1(343.52,206.34)
  L30_SIGNAL w0.071: v1(382.29,190.94) 381.89,190.94 381.82,191.02 381.82,192.21 380.98,193.05 368.61,193.05 361.52,200.13 361.52,203 352.54,211.98 346.17,211.98 344,209.81 344,206.41 343.93,206.34 v1(343.52,206.34)
S4_2TX_100DCH003+: length 77.3
  TOP w0.086: v1(343.07,208.6) 342.61,208.15 342.61,204.3 337.75,199.44 337.75,197.86 337.83,197.78 SITE4.93
  L32_SIGNAL w0.071: v1(343.07,208.6) 342.66,208.6 342.59,208.53 342.59,199.44 349.3,192.73 355.15,192.73 357.4,190.47 360.58,190.47 362.69,188.36 372.44,188.36 379.04,181.76 379.04,177.34 380.38,176 381.35,176 381.62,176.27 381.62,177.28 381.55,177.36 v1(381.15,177.36)
S4_2TX_100DCH003-: length 77.9
  TOP w0.086: SITE4.94 337.43,197.78 337.51,197.86 337.51,199.54 342.37,204.4 342.37,208.15 v1(341.92,208.6)
  L32_SIGNAL w0.071: v1(382.29,177.36) 381.89,177.36 381.82,177.28 381.82,176.19 381.44,175.81 380.3,175.81 378.84,177.26 378.84,181.68 372.36,188.16 362.61,188.16 360.49,190.27 357.32,190.27 355.07,192.53 349.22,192.53 342.39,199.35 342.39,208.53 342.32,208.6 v1(341.92,208.6)
S4_2TX_100DCH004+: length 83.9
  TOP w0.086: v1(341.36,207.09) 340.9,206.64 340.9,203.67 336.95,199.72 336.95,197.86 337.03,197.78 SITE4.95
  L28_SIGNAL w0.071: v1(341.36,207.09) 340.96,207.09 340.88,207.16 340.88,209.89 343.01,212.02 354.77,212.02 362.24,204.55 365.67,204.55 366.33,205.2 369.53,205.2 370.35,204.38 387.03,204.38 394.83,196.58 394.83,191.02 394.76,190.94 v1(394.35,190.94)
S4_2TX_100DCH004-: length 84.5
  TOP w0.086: SITE4.96 336.63,197.78 336.71,197.86 336.71,199.82 340.67,203.77 340.67,206.64 v1(340.21,207.09)
  L28_SIGNAL w0.071: v1(340.21,207.09) 340.62,207.09 340.69,207.16 340.69,209.98 342.92,212.21 354.86,212.21 362.33,204.74 365.59,204.74 366.25,205.4 369.61,205.4 370.43,204.58 387.11,204.58 395.03,196.67 395.03,191.02 395.1,190.94 v1(395.5,190.94)
S4_2TX_100DCH005+: length 90.6
  TOP w0.086: v1(338.99,208.83) 338.54,208.38 338.54,204.15 335.75,201.37 335.75,197.86 335.83,197.78 SITE4.98
  L32_SIGNAL w0.071: v1(394.35,177.36) 394.76,177.36 394.83,177.43 394.83,178.64 384.98,188.48 384.98,192.21 378.05,199.14 370.87,199.14 358.32,211.69 339.62,211.69 338.52,210.58 338.52,208.9 338.59,208.83 v1(338.99,208.83)
S4_2TX_100DCH005-: length 91.3
  TOP w0.086: v1(337.84,208.83) 338.3,208.38 338.3,204.25 335.51,201.47 335.51,197.86 335.43,197.78 SITE4.99
  L32_SIGNAL w0.071: v1(395.5,177.36) 395.1,177.36 395.02,177.43 395.02,178.72 385.18,188.56 385.18,192.3 378.14,199.34 370.95,199.34 358.4,211.89 339.54,211.89 338.32,210.66 338.32,208.9 338.25,208.83 v1(337.84,208.83)
S4_2TX_100DCH006+: length 131.6
  TOP w0.086: SITE4.100 335.03,197.78 334.95,197.86 334.95,201.59 337.04,203.68 337.04,208.51 336.65,208.9 336.65,210.62 v1(337.1,211.08)
  L28_SIGNAL w0.071: v1(337.1,211.08) 336.7,211.08 336.63,211.15 336.63,211.99 337.06,212.42 341.42,212.42 342.61,213.6 356.78,213.6 363.59,206.79 380.2,206.79 381.09,207.68 390.32,207.68 399.39,198.62 420.96,198.62 429.09,190.49 429.09,183.38 428.22,182.52 426.47,182.52 426.4,182.59 v1(426.4,182.99)
S4_2TX_100DCH006-: length 132.5
  TOP w0.086: v1(335.96,211.08) 336.41,210.62 336.41,208.8 336.8,208.41 336.8,203.78 334.71,201.69 334.71,197.86 334.63,197.78 SITE4.101
  L28_SIGNAL w0.071: v1(426.4,181.84) 426.4,182.25 426.47,182.32 428.31,182.32 429.29,183.3 429.29,190.57 421.04,198.81 399.47,198.81 390.41,207.88 381.01,207.88 380.12,206.99 363.67,206.99 356.86,213.8 342.53,213.8 341.34,212.62 336.98,212.62 336.43,212.07 336.43,211.15 336.36,211.08 v1(335.96,211.08)
S4_2TX_100DCH007+: length 124
  TOP w0.086: v1(334.78,209.97) 334.78,209.33 335.98,208.13 335.98,203.78 334.15,201.95 334.15,197.86 334.23,197.78 SITE4.102
  L32_SIGNAL w0.071: v1(334.78,209.97) 334.5,209.69 334.4,209.69 333.5,210.59 333.5,212 335.2,213.7 337.99,213.7 338.65,213.04 340.96,213.04 341.84,213.92 359.88,213.92 369.07,204.74 377.78,204.74 380.37,207.32 390.07,207.32 397.66,199.73 397.66,190.01 402.73,184.93 413.68,184.93 414.41,184.2 414.41,183.15 413.77,182.52 412.89,182.52 412.81,182.59 v1(412.81,182.99)
S4_2TX_100DCH007-: length 125
  TOP w0.086: SITE4.103 333.83,197.78 333.91,197.86 333.91,202.05 335.74,203.88 335.74,208.03 334.61,209.17 v1(333.98,209.17)
  L32_SIGNAL w0.071: v1(333.98,209.17) 334.26,209.45 334.26,209.55 333.3,210.51 333.3,212.09 335.11,213.9 338.07,213.9 338.73,213.24 340.88,213.24 341.76,214.12 359.97,214.12 369.15,204.93 377.7,204.93 380.28,207.52 390.15,207.52 397.86,199.81 397.86,190.09 402.81,185.13 413.76,185.13 414.6,184.29 414.6,183.06 413.86,182.32 412.89,182.32 412.81,182.25 v1(412.81,181.84)
S4_3TX_100DCH002+: length 130.9
  TOP w0.086: SITE4.114 329.43,197.78 329.35,197.86 329.35,207.66 v1(329.8,208.11)
  L30_SIGNAL w0.071: v1(407.82,177.36) 408.22,177.36 408.29,177.43 408.29,178.69 409.18,179.58 410.25,179.58 411.48,178.36 411.48,174.8 409.36,172.67 376.91,172.67 373.32,176.27 370.55,176.27 366.58,180.24 362.94,180.24 354.97,188.21 350.34,188.21 337.76,200.78 328.75,200.78 326.47,203.06 326.47,208.59 327.73,209.85 328.83,209.85 329.33,209.35 329.33,208.18 329.4,208.11 v1(329.8,208.11)
S4_3TX_100DCH002-: length 128.9
  TOP w0.086: SITE4.115 329.03,197.78 329.11,197.86 329.11,207.66 v1(328.66,208.11)
  L30_SIGNAL w0.071: v1(328.66,208.11) 329.06,208.11 329.13,208.18 329.13,209.27 328.75,209.65 327.81,209.65 326.66,208.51 326.66,203.14 328.83,200.98 337.85,200.98 350.42,188.4 355.05,188.4 363.02,180.44 366.66,180.44 370.64,176.47 373.4,176.47 376.99,172.87 409.27,172.87 411.28,174.88 411.28,178.28 410.17,179.39 409.27,179.39 408.49,178.61 408.49,177.43 408.56,177.36 v1(408.96,177.36)
S4_3TX_100DCH003+: length 89.1
  TOP w0.086: SITE4.116 328.63,197.78 328.55,197.86 328.55,206.82 326.96,208.41 326.96,210.72 v1(327.41,211.17)
  L28_SIGNAL w0.071: v1(386.52,196.45) 386.52,196.05 386.45,195.98 384.89,195.98 381.55,199.32 366.54,199.32 365.38,200.49 353.38,200.49 351.76,198.86 344.47,198.86 342.36,200.98 329.11,200.98 326.43,203.66 326.43,207.77 326.94,208.28 326.94,211.1 327.01,211.17 v1(327.41,211.17)
S4_3TX_100DCH003-: length 89.5
  TOP w0.086: SITE4.117 328.23,197.78 328.31,197.86 328.31,206.72 326.72,208.31 326.72,210.72 v1(326.26,211.17)
  L28_SIGNAL w0.071: v1(386.52,195.31) 386.52,195.71 386.45,195.78 384.81,195.78 381.46,199.13 366.46,199.13 365.29,200.29 353.46,200.29 351.84,198.67 344.39,198.67 342.28,200.78 329.03,200.78 326.23,203.58 326.23,207.85 326.74,208.36 326.74,211.1 326.67,211.17 v1(326.26,211.17)
S4_3TX_100DCH004+: length 79.4
  TOP w0.086: SITE4.120 327.03,197.78 326.95,197.86 326.95,204.17 324.91,206.21 324.91,208.63 v1(325.36,209.08)
  L30_SIGNAL w0.071: v1(325.36,209.08) 324.96,209.08 324.89,209.16 324.89,211.79 326.96,213.87 337.92,213.87 338.8,212.99 341.51,212.99 342.27,213.75 355.77,213.75 369.54,199.98 373.69,199.98 374.73,198.94 374.73,196.75 373.95,195.98 373.01,195.98 372.94,196.05 v1(372.94,196.45)
S4_3TX_100DCH004-: length 80.4
  TOP w0.086: SITE4.121 326.63,197.78 326.71,197.86 326.71,204.07 324.67,206.11 324.67,208.63 v1(324.22,209.08)
  L30_SIGNAL w0.071: v1(324.22,209.08) 324.62,209.08 324.69,209.16 324.69,211.88 326.88,214.07 338,214.07 338.88,213.19 341.43,213.19 342.19,213.95 355.85,213.95 369.62,200.18 373.77,200.18 374.93,199.02 374.93,196.67 374.03,195.78 373.01,195.78 372.94,195.71 v1(372.94,195.31)
S4_3TX_100DCH005+: length 112.7
  TOP w0.086: SITE4.122 326.23,197.78 326.15,197.86 326.15,200.53 324.65,202.03 324.65,203.24 v1(325.11,203.69)
  L32_SIGNAL w0.071: v1(403.03,196.45) 403.03,196.05 403.11,195.98 405.84,195.98 406.89,197.03 406.89,201.51 392.72,215.68 343.18,215.68 342.22,214.72 332.99,214.72 324.63,206.36 324.63,203.76 324.7,203.69 v1(325.11,203.69)
S4_3TX_100DCH005-: length 113.7
  TOP w0.086: SITE4.123 325.83,197.78 325.91,197.86 325.91,200.44 324.42,201.93 324.42,203.24 v1(323.96,203.69)
  L32_SIGNAL w0.071: v1(403.03,195.31) 403.03,195.71 403.11,195.78 405.92,195.78 407.09,196.94 407.09,201.59 392.8,215.88 343.1,215.88 342.14,214.91 332.9,214.91 324.44,206.44 324.44,203.76 324.36,203.69 v1(323.96,203.69)
S4_3TX_100DCH006+: length 97.4
  TOP w0.086: v1(322.12,209.08) 321.66,208.63 321.66,206.13 322.87,204.93 322.87,202.13 325.35,199.65 325.35,197.86 325.43,197.78 SITE4.124
  L28_SIGNAL w0.071: v1(322.12,209.08) 321.71,209.08 321.64,209.01 321.64,206.14 322.72,205.06 322.72,200.84 326.68,196.87 355.06,196.87 357.18,198.99 362.42,198.99 367.89,193.52 386.93,193.52 387.89,194.47 387.89,195.56 388.3,195.98 389.37,195.98 389.45,196.05 v1(389.45,196.45)
S4_3TX_100DCH006-: length 97.8
  TOP w0.086: SITE4.125 325.03,197.78 325.11,197.86 325.11,199.55 322.63,202.03 322.63,204.83 321.43,206.04 321.43,208.63 v1(320.97,209.08)
  L28_SIGNAL w0.071: v1(389.45,195.31) 389.45,195.71 389.37,195.78 388.38,195.78 388.08,195.48 388.08,194.39 387.01,193.32 367.81,193.32 362.34,198.79 357.26,198.79 355.15,196.68 326.6,196.68 322.53,200.75 322.53,204.98 321.45,206.06 321.45,209.01 321.37,209.08 v1(320.97,209.08)
S4_3TX_100DCH007+: length 85.9
  TOP w0.086: v1(321.53,203.69) 321.08,203.24 321.08,202.2 324.55,198.73 324.55,197.86 324.63,197.78 SITE4.126
  L32_SIGNAL w0.071: v1(382.16,219.9) 382.56,219.9 382.63,219.97 382.63,221.06 382.24,221.46 380.86,221.46 377.49,218.08 340.82,218.08 339.86,217.12 326.54,217.12 319.98,210.57 319.98,208.24 321.06,207.16 321.06,203.76 321.13,203.69 v1(321.53,203.69)
S4_3TX_100DCH007-: length 86.5
  TOP w0.086: v1(320.39,203.69) 320.84,203.24 320.84,202.1 324.31,198.63 324.31,197.86 324.23,197.78 SITE4.127
  L32_SIGNAL w0.071: v1(320.39,203.69) 320.79,203.69 320.86,203.76 320.86,207.08 319.78,208.16 319.78,210.65 326.46,217.32 339.77,217.32 340.74,218.28 377.41,218.28 380.78,221.65 382.33,221.65 382.83,221.15 382.83,219.97 382.9,219.9 v1(383.31,219.9)
S4_4TX_100DCH001+: length 90.5
  TOP w0.086: v1(318.79,209.08) 318.34,208.63 318.34,208.16 319.3,207.2 319.3,202.62 323.35,198.57 323.35,197.86 323.43,197.78 SITE4.129
  L30_SIGNAL w0.071: v1(318.79,209.08) 318.39,209.08 318.32,209.16 318.32,213.29 319.98,214.96 343.22,214.96 343.84,215.58 375.16,215.58 382.63,208.1 382.63,206.38 382.56,206.31 v1(382.16,206.31)
S4_4TX_100DCH001-: length 91.1
  TOP w0.086: v1(317.64,209.08) 318.1,208.63 318.1,208.06 319.06,207.1 319.06,202.52 323.11,198.47 323.11,197.86 323.03,197.78 SITE4.130
  L30_SIGNAL w0.071: v1(383.31,206.31) 382.9,206.31 382.83,206.38 382.83,208.18 375.24,215.78 343.76,215.78 343.14,215.16 319.9,215.16 318.12,213.37 318.12,209.16 318.05,209.08 v1(317.64,209.08)
S4_4TX_100DCH002+: length 127.4
  TOP w0.086: v1(317.56,205.42) 317.11,204.97 317.11,203.7 322.55,198.26 322.55,197.86 322.63,197.78 SITE4.131
  L32_SIGNAL w0.071: v1(317.56,205.42) 317.16,205.42 317.09,205.35 317.09,190.98 320.06,188 320.06,176.73 324.32,172.48 355.32,172.48 362.04,165.75 383.26,165.75 393.1,155.92 394.26,155.92 394.83,156.48 394.83,157.6 394.76,157.67 v1(394.35,157.67)
S4_4TX_100DCH002-: length 128
  TOP w0.086: SITE4.132 322.23,197.78 322.31,197.86 322.31,198.16 316.87,203.6 316.87,204.97 v1(316.42,205.42)
  L32_SIGNAL w0.071: v1(395.5,157.67) 395.1,157.67 395.02,157.6 395.02,156.4 394.34,155.72 393.01,155.72 383.18,165.55 361.96,165.55 355.24,172.28 324.24,172.28 319.87,176.65 319.87,187.92 316.89,190.9 316.89,205.35 316.82,205.42 v1(316.42,205.42)
S4_4TX_100DCH003+: length 145.3
  TOP w0.086: v1(305.81,199.77) 306.27,199.32 311.06,199.32 317.23,193.15 317.6,193.15 317.68,193.23 SITE4.133
  L28_SIGNAL w0.071: v1(305.81,199.77) 305.81,199.37 305.74,199.3 304.03,199.3 302.88,198.15 302.88,183.33 303.98,182.22 311.55,182.22 326.16,167.61 336.64,167.61 350.99,153.26 356.93,153.26 358.25,154.57 372.95,154.57 377.91,149.62 390.43,149.62 394.83,145.22 394.83,144.15 394.76,144.08 v1(394.35,144.08)
S4_4TX_100DCH003-: length 145
  TOP w0.086: v1(305.81,198.63) 306.27,199.08 310.96,199.08 317.13,192.91 317.6,192.91 317.68,192.83 SITE4.134
  L28_SIGNAL w0.071: v1(305.81,198.63) 305.81,199.03 305.74,199.1 304.11,199.1 303.08,198.07 303.08,183.41 304.07,182.42 311.63,182.42 326.24,167.81 336.72,167.81 351.07,153.46 356.85,153.46 358.16,154.77 373.03,154.77 377.99,149.82 390.51,149.82 395.03,145.3 395.03,144.15 395.1,144.08 v1(395.5,144.08)
S4_4TX_100DCH004+: length 134.9
  TOP w0.086: SITE4.135 317.68,192.43 317.6,192.35 316.53,192.35 311.68,197.2 309.02,197.2 v1(308.57,197.65)
  L30_SIGNAL w0.071: v1(308.57,197.65) 308.57,197.25 308.64,197.18 325.04,197.18 326.92,195.3 339.16,195.3 350.03,184.43 350.03,179.04 359.42,169.64 392.04,169.64 405.36,156.32 407.96,156.32 408.54,156.9 408.54,157.6 408.47,157.67 v1(408.07,157.67)
S4_4TX_100DCH004-: length 135.3
  TOP w0.086: v1(308.57,196.51) 309.02,196.96 311.58,196.96 316.43,192.11 317.6,192.11 317.68,192.03 SITE4.136
  L30_SIGNAL w0.071: v1(409.21,157.67) 408.81,157.67 408.74,157.6 408.74,156.82 408.04,156.12 405.28,156.12 391.96,169.44 359.34,169.44 349.83,178.95 349.83,184.35 339.08,195.1 326.84,195.1 324.96,196.98 308.64,196.98 308.57,196.91 v1(308.57,196.51)
S4_4TX_100DCH005+: length 149
  TOP w0.086: v1(305.81,195.53) 306.27,195.08 312.64,195.08 316.17,191.55 317.6,191.55 317.68,191.63 SITE4.137
  L28_SIGNAL w0.071: v1(408.07,144.08) 408.47,144.08 408.54,144.15 408.54,145.42 401.43,152.53 378.91,152.53 374.65,156.78 366.83,156.78 350.65,172.97 322.53,172.97 313.06,182.43 313.06,183.51 312.28,184.3 307.01,184.3 303.96,187.36 303.96,194.17 304.85,195.06 305.74,195.06 305.81,195.13 v1(305.81,195.53)
S4_4TX_100DCH005-: length 148.7
  TOP w0.086: SITE4.138 317.68,191.23 317.6,191.31 316.07,191.31 312.55,194.84 306.27,194.84 v1(305.81,194.39)
  L28_SIGNAL w0.071: v1(305.81,194.39) 305.81,194.79 305.74,194.86 304.93,194.86 304.16,194.09 304.16,187.44 307.1,184.5 312.36,184.5 313.26,183.6 313.26,182.52 322.61,173.17 350.73,173.17 366.91,156.98 374.74,156.98 378.99,152.73 401.52,152.73 408.74,145.51 408.74,144.15 408.81,144.08 v1(409.21,144.08)
S4_4TX_100DCH006+: length 152.8
  TOP w0.086: v1(308.57,192.73) 309.02,192.28 312.03,192.28 313.96,190.35 317.6,190.35 317.68,190.43 SITE4.140
  L30_SIGNAL w0.071: v1(308.57,192.73) 308.57,192.33 308.64,192.26 323.76,192.26 326.77,189.25 326.77,174.7 328.29,173.18 351.75,173.18 359.74,165.2 382.02,165.2 393.42,153.8 419.2,153.8 422,156.6 422,157.6 421.93,157.67 v1(421.53,157.67)
S4_4TX_100DCH006-: length 153.1
  TOP w0.086: v1(308.57,191.59) 309.02,192.04 311.93,192.04 313.86,190.11 317.6,190.11 317.68,190.03 SITE4.141
  L30_SIGNAL w0.071: v1(422.68,157.67) 422.27,157.67 422.2,157.6 422.2,156.52 419.28,153.6 393.34,153.6 381.94,165 359.65,165 351.67,172.98 328.21,172.98 326.57,174.62 326.57,189.16 323.68,192.06 308.64,192.06 308.57,191.99 v1(308.57,191.59)
S4_4TX_100DCH007+: length 165.2
  TOP w0.086: SITE4.142 317.68,189.63 317.6,189.55 313.04,189.55 312.4,190.19 306.27,190.19 v1(305.81,190.64)
  L28_SIGNAL w0.071: v1(305.81,190.64) 305.81,190.24 305.89,190.16 308.65,190.16 309.54,191.06 323.05,191.06 326.66,187.44 326.66,177.95 330.33,174.28 356.97,174.28 369.56,161.69 374.07,161.69 379.52,156.24 418.09,156.24 420.16,154.18 420.16,142.79 420.57,142.37 421.35,142.37 422,143.03 422,144.01 421.93,144.08 v1(421.53,144.08)
